# Altium PCB Zoom_Camera.PcbDoc
Units mil, origin at the board's own origin, x right, y up, seen from the top; angles counter-clockwise.
Board outline 1891.06 x 2085.03 mil, 2 copper layers (Top Layer, Bottom Layer); 13 components, 21 nets, 96 pads, 0 vias.
Unrouted connection lines stored in the file: 3.
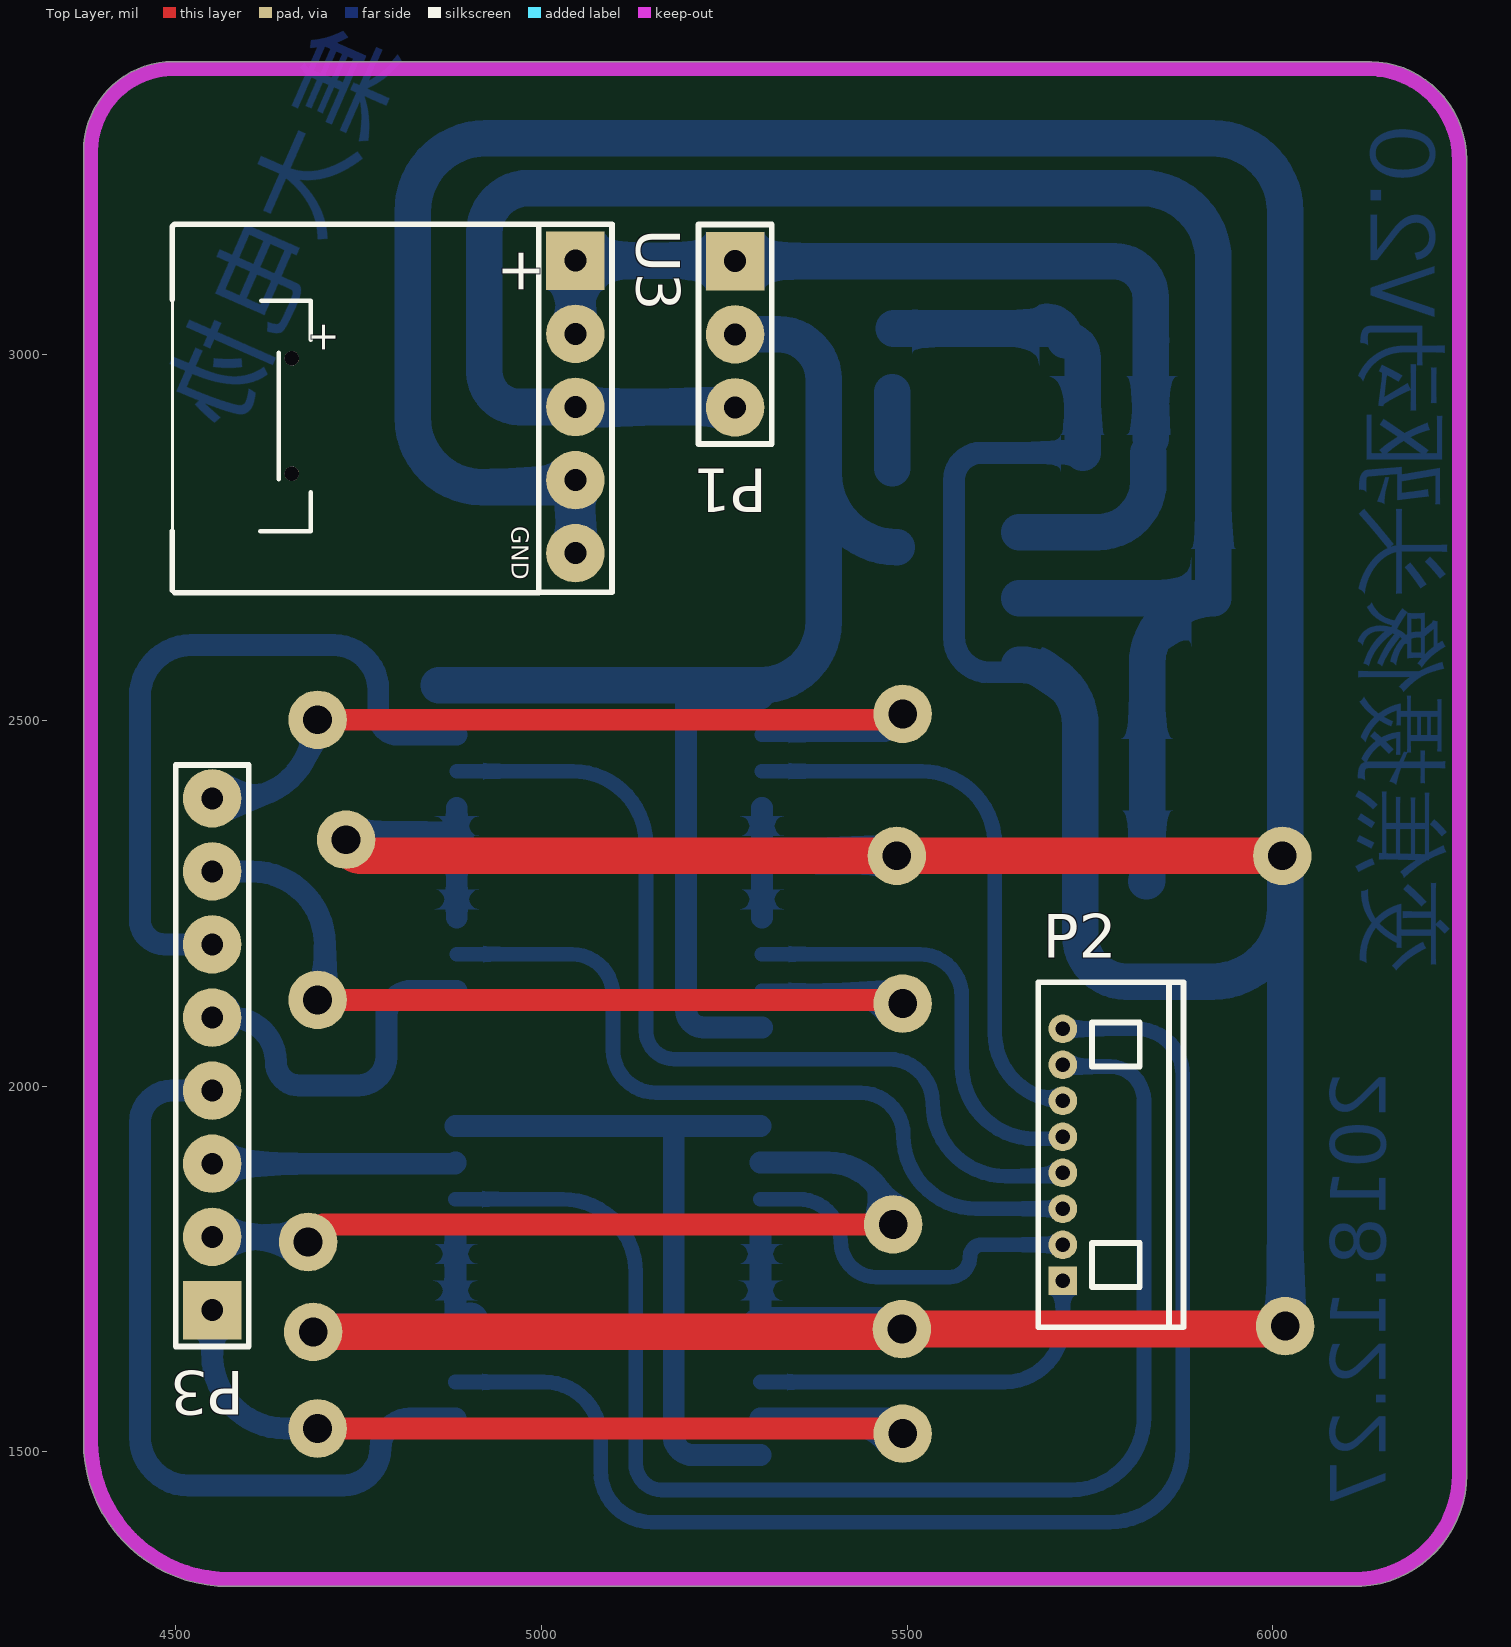
[diagram p0: Top Layer view]
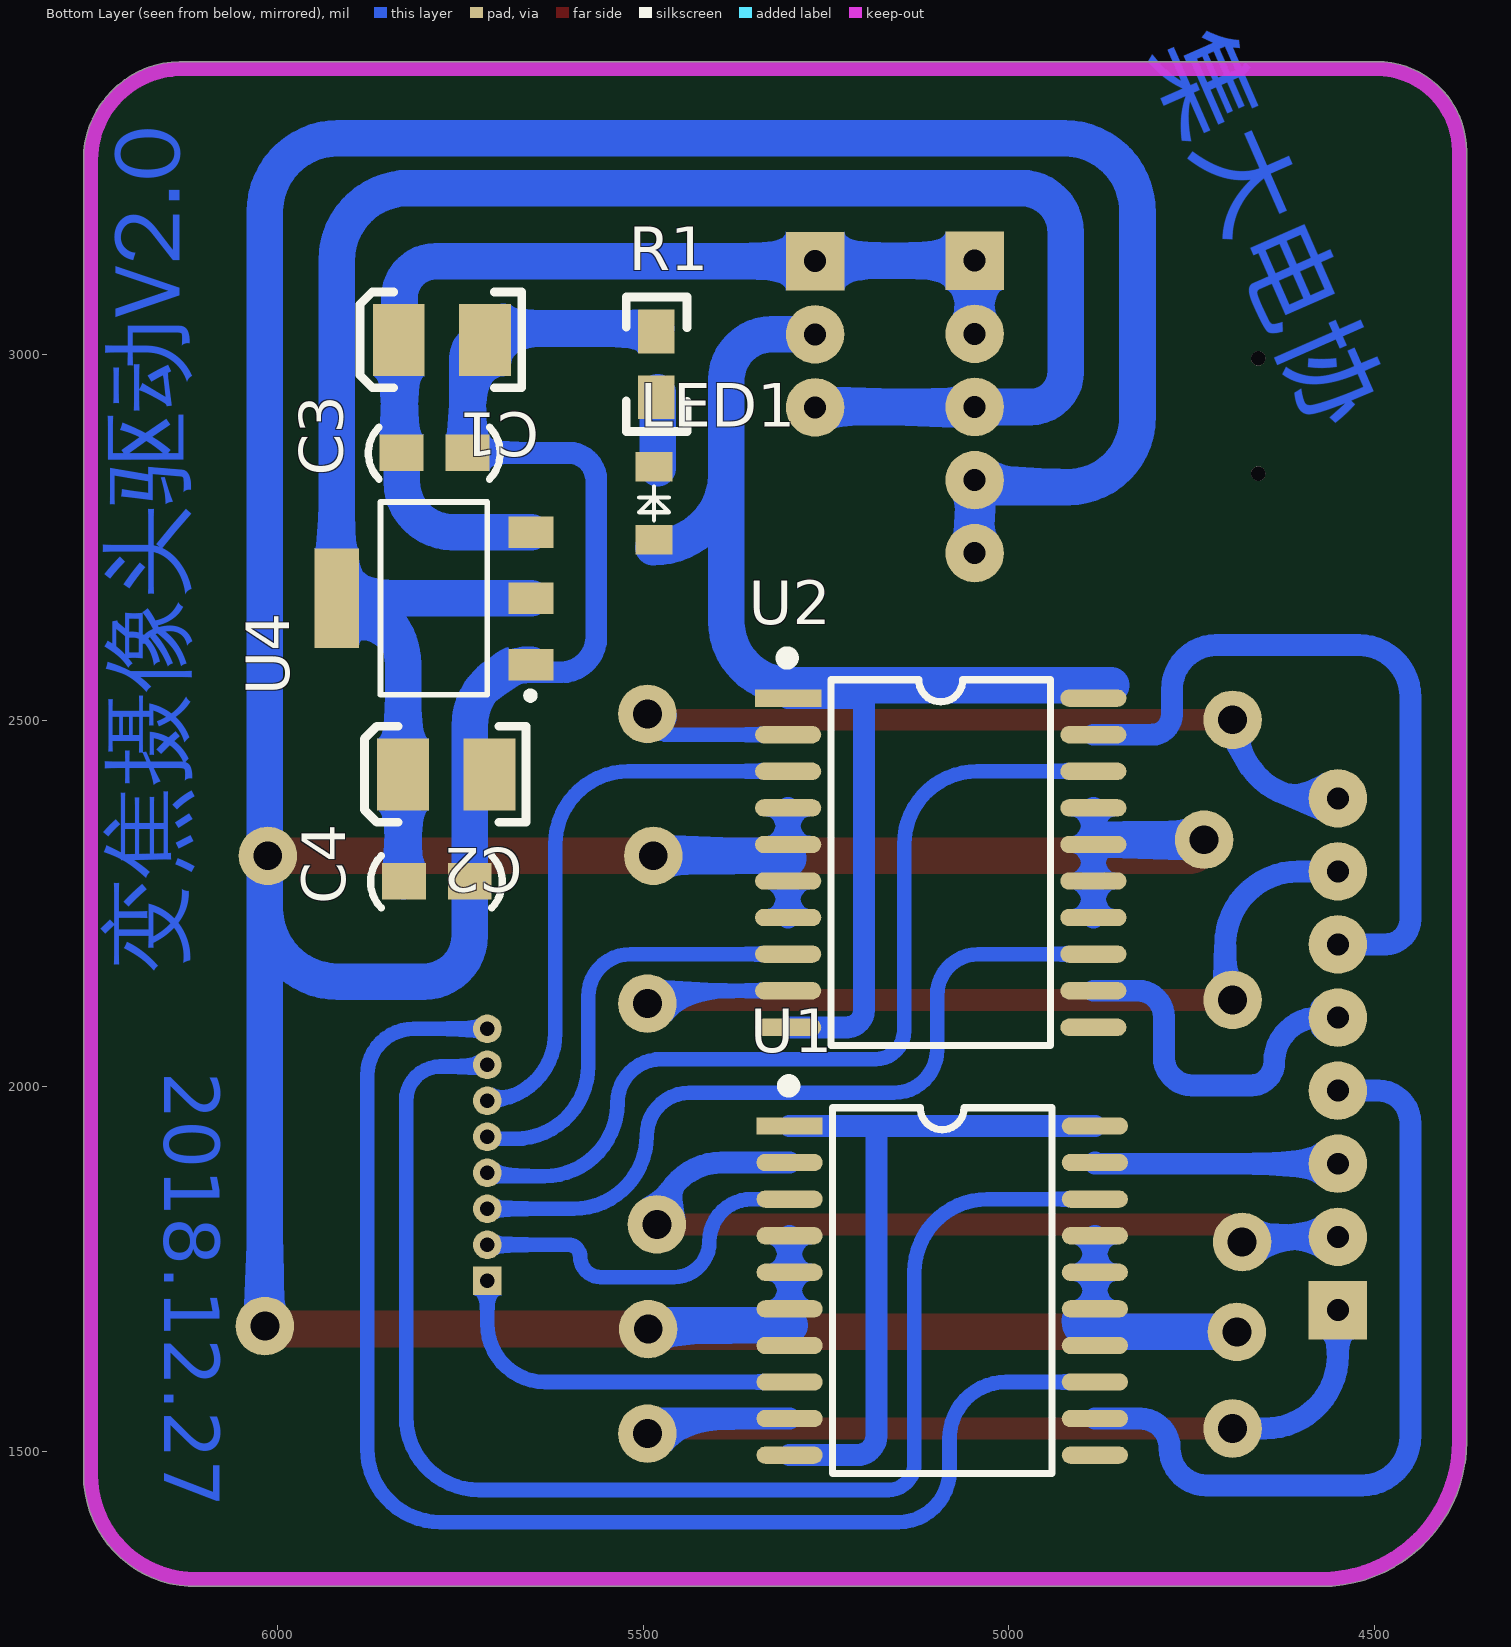
[diagram p1: Bottom Layer view, seen from below]
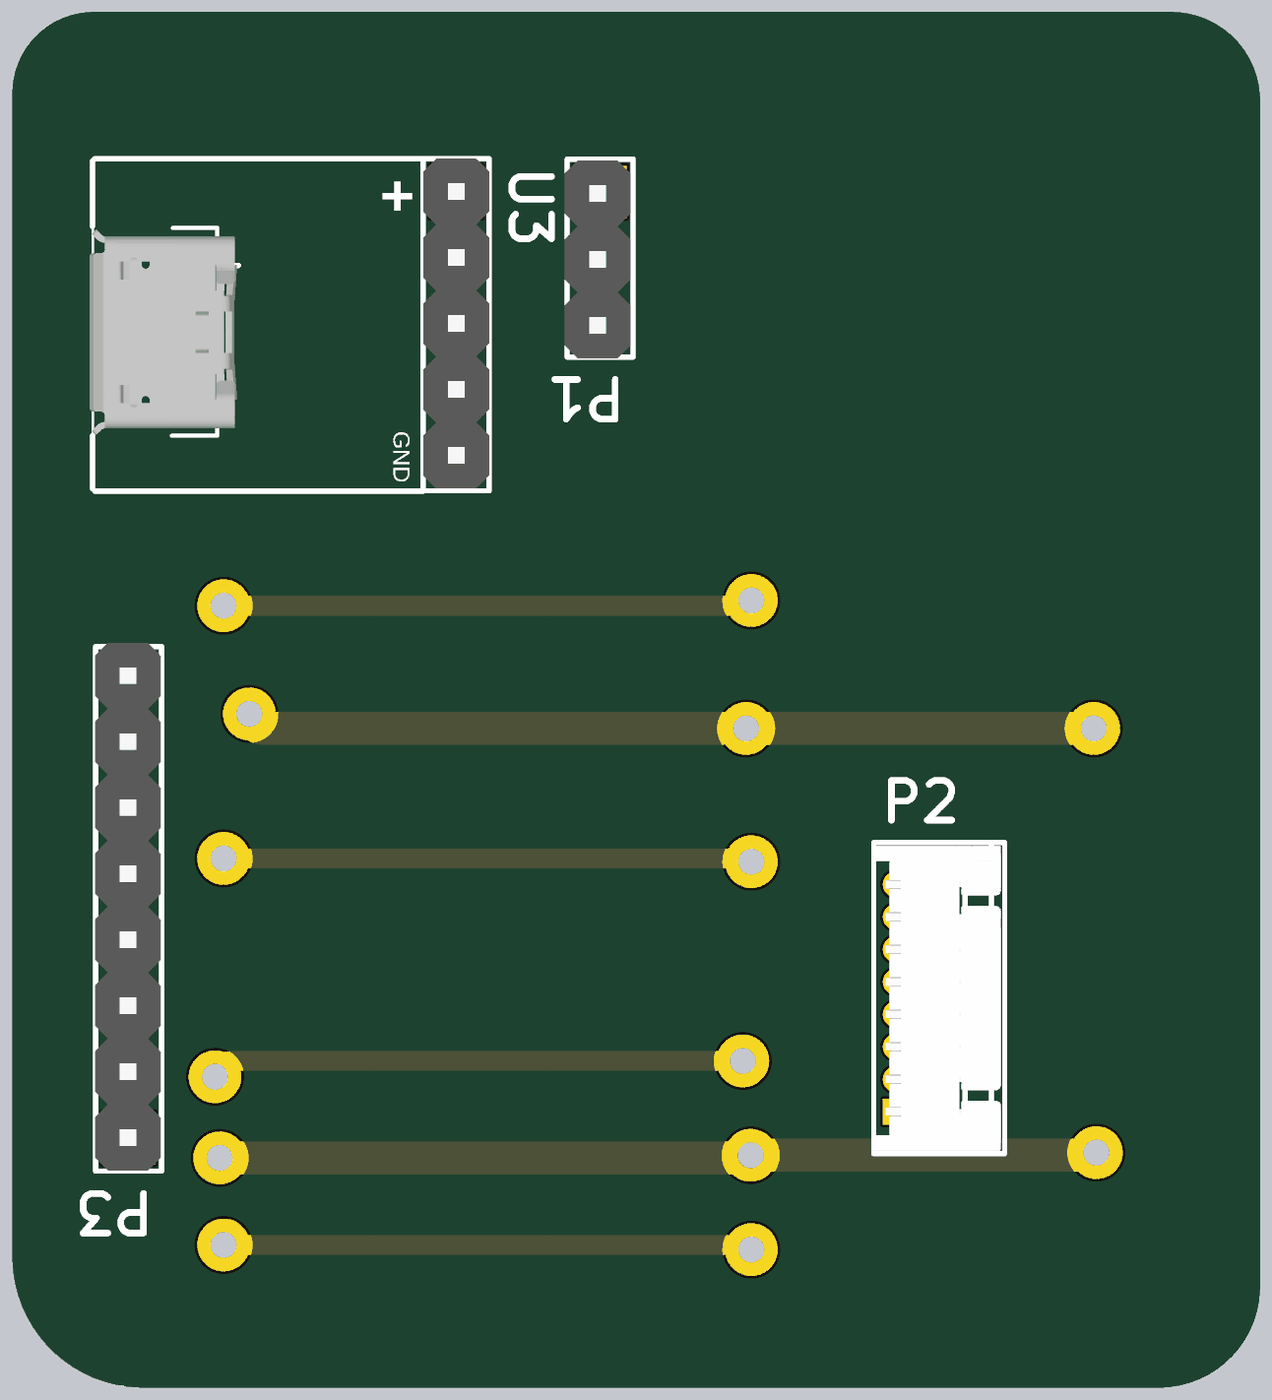
[diagram p2: 3D render of the assembled board from above, using the file's embedded part models]
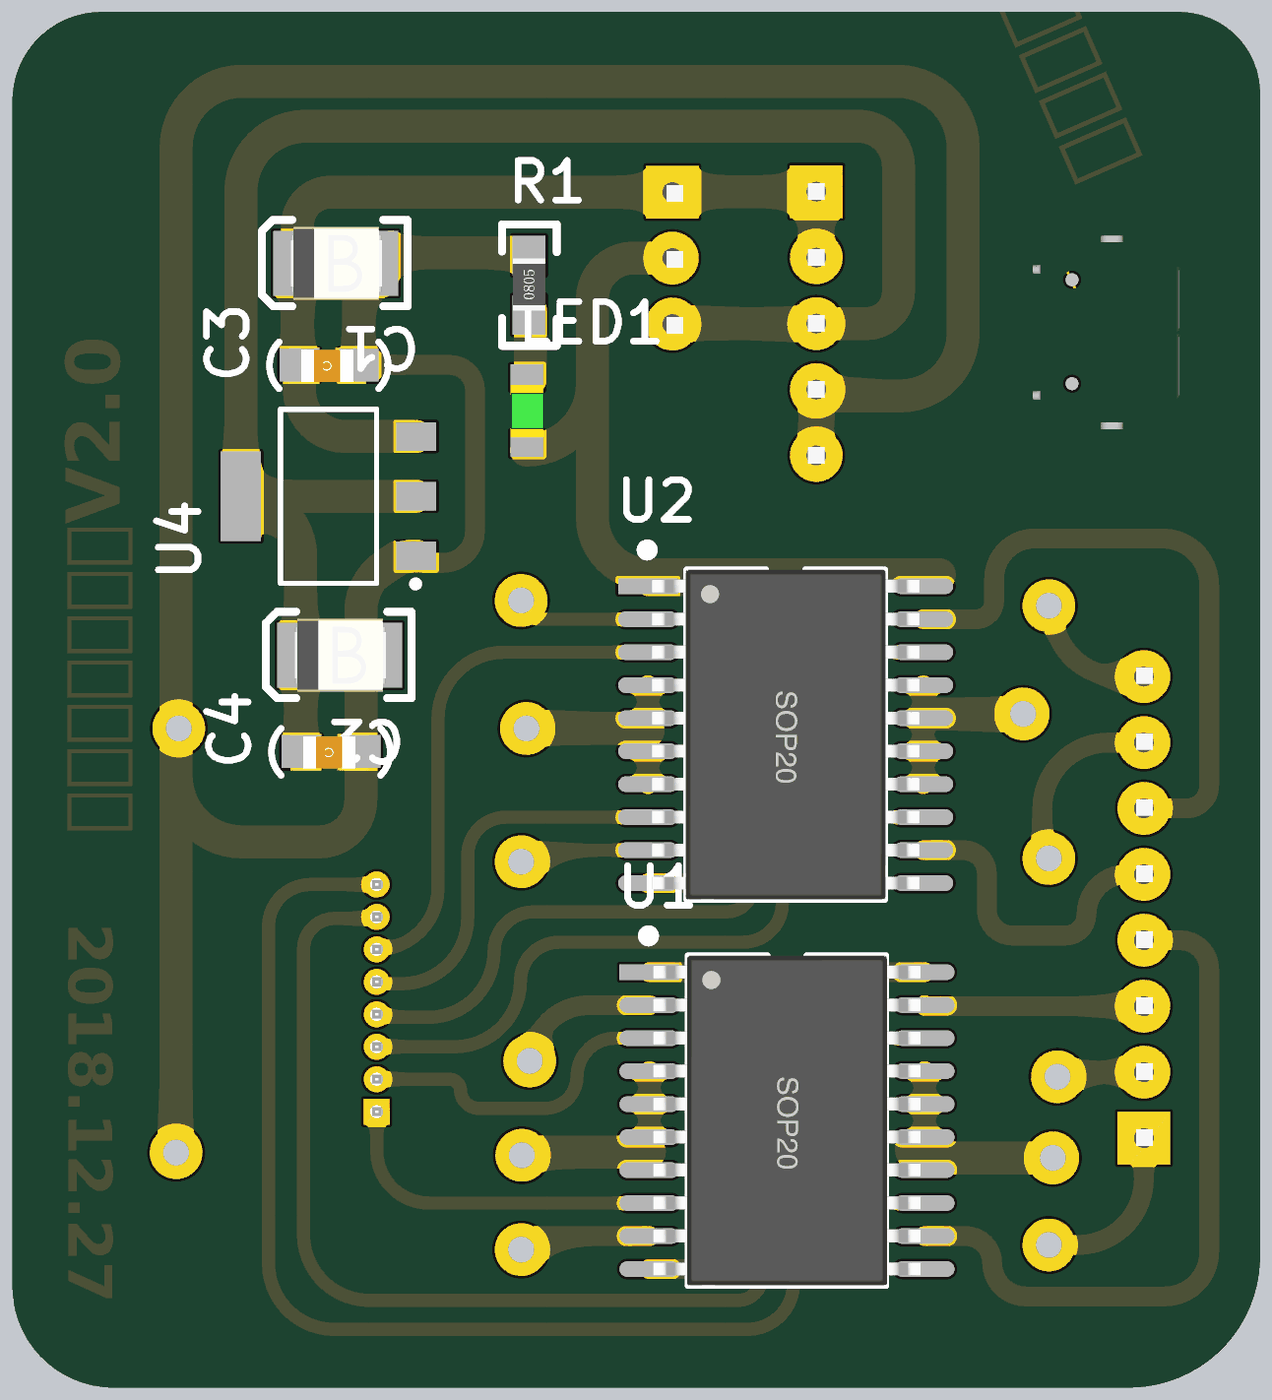
[diagram p3: 3D render of the assembled board from below, using the file's embedded part models]

## Layer stack, top to bottom
Top Solder: solder mask 0.4, Solder Resist, Dk 3.5
Top Layer: signal copper 1.4
Dielectric 1: dielectric 12.6, FR-4, Dk 4.8
Bottom Layer: signal copper 1.4
Bottom Solder: solder mask 0.4, Solder Resist, Dk 3.5

## Board outline
4373.98,1514.3 cw(c4384,1514.3) 4373.98,1514.35 4373.98,3278 cw(c4497,3278) 4497,3401.01 6133,3401.01 cw(c6133,3391) 6133.2,3401.01 cw(c6130.5,3266.5) 6265.04,3266.5 cw(c6130.5,3266.5) 6265.02,3263.9 6265.02,1468.91 cw(c6112.09,1468.91) 6121.36,1316.27 cw(c6119,1326) 6119,1315.98 4572.3,1315.98 cw(c4572.3,1514.3)

## Design rules (kind name [scope] priority, off if disabled: settings)
Clearance [All] p1: gap=8
ComponentClearance [All] p1: gap=0 collisioncheckmode=3 verticalgap=0 showdistances=FALSE
PolygonConnect [All] p1: connectstyle=Relief reliefconductorwidth=10 reliefentries=4 polygonreliefangle="90 Angle" airgapwidth=10
RoutingVias [All] p1: holewidth=28 width=50 viastyle="Through Hole" minholewidth=28 minwidth=50 maxholewidth=28 maxwidth=50
SolderMaskExpansion [All] p1: expansion=4
Width [All] p1: maxlimit=100 minlimit=10 preferedwidth=10
29 further rules are at their usual default settings.

## Components (designator, comment, footprint, x,y, rotation, side; value= is the part's Value field where it differs from the comment)
C1 "10uF" TAJ-B 5716,3020 r0 bottom
C2 "10uF" TAJ-B 5710,2426 r0 bottom
C3 "104" 0805C 5745,2866 r0 bottom
C4 "104" 0805C 5742,2280 r0 bottom
LED1 "RED" 0805LED 5487,2749 r90 bottom
P1 "电源切换" "Header 3" 5270,3034 r270 top
P2 "接线端子-8PIN" MX1.25MM-8P 5711,1734 r90 top
P3 "Header 8" "Header 8" 4550,1994 r180 top
R1 "1K" 0805R 5482,2987 r90 bottom
U1 "L293DD" SOP-20M 5297,1945 r180 bottom
U2 "L293DD" SOP-20M 5299,2530 r180 bottom
U3 "USB转排针" USB转排针 5046,2880 r270 top
U4 "AMS1117_3.3V" SOT-223 5652,2580 r90 bottom

## Footprints (in the part's own frame and the unit in brackets; to place one, negate y for a bottom-side part, rotate by r counter-clockwise, add the part's x,y. Pads: shape width x height; smd on the part's side, far side on the other; paste and mask are expansions set on the pad)
0805C [mil]
  rect 60x50 smd: 1(-5,0) 2(85,0)
  silkscreen extent -50,-35 131,36, body extent -16,-26 102,29, height 37
0805LED [mil]
  rect 40x50 smd: 1(-2,-2) 2(98,-2)
  silkscreen extent 25,-22 71,18, body extent 7,-27 87,23, height 43
0805R [mil]
  rect 60x50 smd: 1(-45,0) 2(45,0)
  silkscreen extent -92,-42 92,41, body extent -38,-25 40,25, height 22
"Header 3" [mil]
  rect 80x80 hole 30: 1(-94.03,-5.18)
  round 80 hole 30: 2(5.97,-5.18) 3(105.97,-5.18)
  silkscreen extent -144,-55 156,45, body extent -142,-59 158,41, height 336
"Header 8" [mil]
  rect 80x80 hole 30: 1(0,300)
  round 80 hole 30: 2(0,200) 3(0,100) 4(0,0) 5(0,-99.8) 6(0,-199.8) 8(0,-399.61)
  round 80 hole 30 paste+0: 7(0,-299.61)
  silkscreen extent -50,-445 50,350, body extent -49,-451 51,349, height 336
MX1.25MM-8P [mm]
  rect 1x1 hole 0.5: 1(0,-0.05)
  round 1 hole 0.5: 2(1.25,-0.05) 3(2.5,-0.05) 4(3.75,-0.05) 5(5,-0.05) 6(6.25,-0.05) 7(7.5,-0.05) 8(8.75,-0.05)
  silkscreen extent -1.61,-4.24 10.36,0.8, body extent -1.5,-4.1 10.25,0.8, height 3.35
SOP-20M [mm]
  rect 2.3x0.6 smd: 1(-0.067,0.014)
  oval 2.3x0.6 smd: 2(-0.067,-1.256) 3(-0.067,-2.526) 4(-0.067,-3.796) 5(-0.067,-5.066) 6(-0.067,-6.336) 7(-0.067,-7.606) 8(-0.067,-8.876) 9(-0.067,-10.146) 10(-0.067,-11.416) 11(10.533,-11.416) 12(10.533,-10.146) 13(10.533,-8.876) 14(10.533,-7.606) 15(10.533,-6.336) 16(10.533,-5.066) 17(10.533,-3.796) 18(10.533,-2.526) 19(10.533,-1.256) 20(10.533,0.014)
  silkscreen extent -0.26,-12.05 9.04,1.57, body extent 0.08,-12.05 10.39,0.65, height 2.7
SOT-223 [mm]
  rect 1.1x1.55 smd: 1(-0.09,0.029) 2(2.21,0.029) 3(4.51,0.029)
  rect 3.45x1.55 smd: 4(2.21,6.779)
  silkscreen extent -1.29,-0.07 5.56,5.25, body extent -1.09,-0.53 5.51,6.83, height 0.8
TAJ-B [mm]
  rect 1.8x2.5 smd: 1(3,0) 2(0,0)
  silkscreen extent -1.27,-1.68 4.34,1.65, body extent -0.27,-1.4 3.23,1.4, height 1.9
USB转排针 [mil]
  rect 80x80 hole 30: 1(-248.65,0.54)
  round 80 hole 30: 2(-148.65,0.54) 3(-48.65,0.54) 4(51.35,0.54) 5(151.15,0.54)
  round 19.68 hole 19.68 unplated: ""(-115.08,-387.17) ""(42.4,-387.17)
  silkscreen extent -299,-551 205,51, body extent -299,-555 201,51, height 336

## Part data
C1 C2: library part "Pol Cap", "极性贴片电容"
C3 C4: library part Cap1, "无极贴片电容"
LED1: library part LED, "发光二极管"
P1: library part "Header 3", "排针"
P3: "排针"
R1: library part Res, "电阻"
U1 U2: library part L293D
U4: library part AMS1117-3.3V/5.0V, "电源芯片"

## Free pads (board coordinates)
  round 80 hole 39.37: 2(5481,1811) 3(5494,2509) 4(5494,2113) 5(5494,1525) 6(4694,1532) 7(4681,1787) 8(4694,2118) 9(4694,2501) 11(4733,2337) 12(5486,2315) 13(4688,1664) 14(5493,1668) 15(6017,1672) 16(6013,2315)

## Nets (pads, with @x,y where several pads share a name; then routed paths per layer and width w, separated by ;. In a path a pad name is that pad's centre, name@x,y a point inside that pad or via, vN(x,y) a via of type N, cw(c..) or ccw(c..) an arc to the next point about the centre after c; other vN are vias at no path point)
3.3V: C2.1 C4.2 P1.3 U3.3 U4.2 U4.4 | length 2816.1
  Bottom Layer w50: P1.3 5264.2,2928.65 U3.3 4970.35,2928.65 cw(c4970.35,2977) 4922,2977 4922,3167 cw(c4983,3167) 4983,3228 5820,3228 cw(c5820,3129.13) 5918.87,3129.13 U4.4 ; U4.2 U4.4 ; C4.2 ccw(c5827,2281.11) 5828.11,2281.11 C2.1 5828.11,2576.24 cw(c5918.87,2576.24) U4.4
5.0/3.3V: LED1.1 P1.2 U1.1 U1.10 U1.11 U1.20 U2.1 U2.10 U2.11 U2.20 | length 2842.7
  Bottom Layer w30: U1.20 5180,1945.55 ; U1.10 5207.45,1495.55 cw(c5207.45,1522) 5181,1522 5181,1944.55 ccw(c5180,1944.55) 5180,1945.55 ; U1.1 5180,1945.55 ; U2.10 5221.45,2080.55 cw(c5221.45,2104) 5198,2104 5198,2530.55 U2.1
  Bottom Layer w50: 4860,2548 5299,2548 ccw(c5299,2635) 5386,2635 5386,2837 ; P1.2 5323.97,3028.03 cw(c5323.97,2966) 5386,2966 5386,2837 ; LED1.1@5486,2737 cw(c5486,2837) 5386,2837
5.0V: C1.1 C3.2 P1.1 U3.1 U3.2 U4.3 | length 1365.5
  Bottom Layer w50: U3.2 U3.1 5264.2,3128.65 P1.1 5782.97,3128.03 cw(c5782.97,3078) 5833,3078 C1.1@5833,3018.89 ; U4.3 5760.55,2757.55 ccw(c5760.55,2827) 5830,2827 C3.2 ; C3.2@5833,2885 C1.1@5833,3018.89 ; C1.1 ccw(c5834.11,3018.89) C1.1@5833,3018.89
FOCUS_A+: P2.3 U2.13 | length 1059.1
  Bottom Layer w20: U2.13 5041.45,2180.55 cw(c5041.45,2124) 5098,2124 5098,2050 ccw(c5157,2050) 5157,1991 5436.43,1991 cw(c5436.43,1932.43) 5495,1932.43 ccw(c5595,1932.43) 5595,1832.43 P2.3
FOCUS_A-: P2.4 U2.18 | length 1256.5
  Bottom Layer w20: U2.18 5043,2430.55 cw(c5043,2330.55) 5143,2330.55 5143,2076 ccw(c5182,2076) 5182,2037 5475,2037 cw(c5475,1977) 5535,1977 ccw(c5635,1977) 5635,1877 5708.33,1877 ccw(c5708.33,1881.64) P2.4
FOCUS_B+: P2.5 U2.8 | length 597.7
  Bottom Layer w20: U2.8 5516.95,2180.55 cw(c5516.95,2122.5) 5575,2122.5 5575,2028 ccw(c5675,2028) 5675,1928 5710.12,1928 ccw(c5710.12,1930.85) P2.5
FOCUS_B-: P2.6 U2.3 | length 779.1
  Bottom Layer w20: U2.3 5520,2430.55 cw(c5520,2330.55) 5620,2330.55 5620,2072.97 ccw(c5712.97,2072.97) 5712.97,1980 P2.6
GND: C1.2 C2.2 C3.1 C4.1 pad.11 pad.12 pad.13 pad.14 pad.15 pad.16 R1.2 U1.4 U1.5 U1.6 U1.7 U1.14 U1.15 U1.16 U1.17 U2.4 U2.5 U2.6 U2.7 U2.14 U2.15 U2.16 U2.17 U3.4 U3.5 U4.1 | length 9170.6
  Top Layer w50: pad.13 5489,1664 ccw(c5489,1668) pad.14 6013,1668 ccw(c6013,1672) pad.15 ; pad.11 ccw(c4755,2337) 4755,2315 pad.12 pad.16
  Bottom Layer w30: 4882.31,1679.06 U1.15 U1.16 U1.17 ; U2.14 U2.15 U2.16 U2.17 ; 5299.64,1673 U1.6 U1.5 U1.4 ; U2.7 U2.6 5301.64,2311 U2.5 U2.4 ; U4.1 cw(c5642.68,2576.45) 5642.68,2566 5612,2566 cw(c5612,2614) 5564,2614 5564,2828.22 cw(c5601.78,2828.22) 5601.78,2866 C3.1
  Bottom Layer w50: pad.13 4887.66,1664 ccw(c4887.66,1679.06) 4902.72,1679.06 ; pad.11 4877.86,2337 cw(c4877.86,2330.55) U2.16 ; U3.5 U3.4 cw(c5036.88,2828.65) 5036.88,2819 4919,2819 cw(c4919,2914) 4824,2914 4824,3196 cw(c4924,3196) 4924,3296 5917,3296 cw(c5917,3196) 6017,3196 6017,2243 ; 5299.64,1673 5488,1673 cw(c5488,1668) pad.14 ; 5301.64,2311 cw(c5305.64,2311) 5305.64,2315 pad.12 ; R1.2@5482,3036 C1.2@5689,3036 ; U4.1 cw(c5653.13,2492.57) 5737,2492.57 C4.1 5737,2206 ccw(c5800,2206) 5800,2143 5917,2143 ccw(c5917,2243) 6017,2243 ; C1.2@5691,3045 cw(c5691,3020) C1.2 cw(c5716,2996) 5740,2996 C3.1 ; pad.15@6023,1666 cw(c6023,1672) pad.15 6017,2243
IN1: P3.1 pad.5 pad.6 U1.9 | length 1268.2
  Top Layer w30: pad.6 5487,1532 cw(c5487,1525) pad.5
  Bottom Layer w30: P3.1 4550,1632 ccw(c4650,1632) 4650,1532 pad.6@4689,1532 ; U1.9 5473.45,1545.55 cw(c5473.45,1525) pad.5
IN2: P3.2 pad.2 pad.7 U1.2 | length 1197.5
  Top Layer w30: pad.7 cw(c4705,1787) 4705,1811 pad.2
  Bottom Layer w30: P3.2 4677.9,1794 cw(c4677.9,1774.9) pad.7@4697,1774.9 ; U1.2 5392,1895.55 cw(c5392,1810.55) pad.2@5477,1810.55
IN3: P3.3 U1.19 | length 333.2
  Bottom Layer w30: P3.3 4880.77,1894 ccw(c4880.77,1895.55) U1.19
IN4: P3.4 U1.12 | length 1074.9
  Bottom Layer w30: P3.4 4495,1994 ccw(c4495,1950) 4451,1950 4451,1521 ccw(c4518,1521) 4518,1454 4729,1454 ccw(c4729,1505) 4780,1505 cw(c4820.55,1505) 4820.55,1545.55 U1.12
IN5: P3.5 U2.12 | length 484.8
  Bottom Layer w30: P3.5 4576.2,2093.8 cw(c4576.2,2033) 4637,2033 ccw(c4669,2033) 4669,2001 4749,2001 ccw(c4749,2040) 4788,2040 4788,2095 cw(c4823.55,2095) 4823.55,2130.55 U2.12
IN6: P3.6 U2.19 | length 981.1
  Bottom Layer w30: P3.6 4485.2,2193.8 cw(c4485.2,2228) 4451,2228 4451,2532.55 cw(c4521.45,2532.55) 4521.45,2603 4716,2603 cw(c4716,2542) 4777,2542 4777,2508 ccw(c4804.45,2508) 4799.5,2481 ccw(c4804.45,2508) 4804.45,2480.55 U2.19
IN7: P3.7 pad.4 pad.8 U2.9 | length 1291.9
  Top Layer w30: pad.8 5489,2118 cw(c5489,2113) pad.4
  Bottom Layer w20: U2.9 5476.45,2130.55 cw(c5476.45,2113) pad.4
  Bottom Layer w30: P3.7 4604,2293.61 cw(c4604,2193.61) 4704,2193.61 pad.8@4704,2118
IN8: P3.8 pad.3 pad.9 U2.2 | length 1217.2
  Top Layer w30: pad.9 5486,2501 ccw(c5486,2509) pad.3
  Bottom Layer w20: U2.2 5465.55,2480.55 ccw(c5465.55,2509) pad.3
  Bottom Layer w30: P3.8 4588,2393.61 ccw(c4588,2493.61) 4688,2493.61 4686.45,2495.9 pad.9@4683,2501
NetLED1_2: LED1.2 R1.1 | length 104
  Bottom Layer w50: LED1.2@5480,2845 R1.1@5480,2949
ZOOM_A+: P2.1 U1.8 | length 517.7
  Bottom Layer w20: U1.8 5633.52,1595.55 ccw(c5633.52,1675) 5712.97,1675 P2.1
ZOOM_A-: P2.2 U1.3 | length 499.4
  Bottom Layer w20: U1.3 5351.4,1845.55 cw(c5351.4,1787.68) 5396.47,1823.97 cw(c5351.4,1787.68) 5409.27,1787.68 ccw(c5457.94,1787.68) 5457.94,1739 5558,1739 ccw(c5558,1767) 5586,1767 cw(c5602.21,1767) 5602.21,1783.21 P2.2
ZOOM_B+: P2.8 U1.13 | length 1891.3
  Bottom Layer w20: U1.13 5003.45,1595.55 cw(c5003.45,1518) 5077.74,1540.26 cw(c5003.45,1518) 5081,1518 5081,1474 ccw(c5151,1474) 5151,1404 5777,1404 ccw(c5777,1504) 5877,1504 5877,2015 ccw(c5813.51,2015) 5813.51,2078.49 P2.8
ZOOM_B-: P2.7 U1.18 | length 1909.1
  Bottom Layer w20: U1.18 5029,1845.55 cw(c5029,1745.55) 5129,1745.55 5129,1484 ccw(c5165,1484) 5165,1448 5724,1448 ccw(c5724,1548) 5824,1548 5824,1980 ccw(c5777,1980) 5777,2027 5715.24,2027 cw(c5715.24,2029.28) P2.7
pads on no net: U3.

## Keep-outs
Keep-Out Layer:
  lines w20: 6112.09,1326 ccw(c6112.09,1468.91) 6255,1468.91 6255,3269 ; 6119,1326 4572.3,1326 cw(c4572.3,1514.3) 4384,1514.3 4384,3278 cw(c4497,3278) 4497,3391 6133,3391 cw(c6130.5,3266.5) 6255,3264

## Other copper
Bottom Layer:
  text "集大电协" at 4839,3403 h180 r66.34
  text "变焦摄像头驱动V2.0" at 6103,2155 h160 r270
  text "2018.12.27" at 6180,2020 h130 r90

## Text inside footprints (layer, text, board x,y; h text height)
U3: Top Overlay "GND" at 4951.51,2765.83 h40 r270; Top Overlay "+" at 4686.39,3046.26 h39.37 r270; Top Overlay "+" at 4927.89,3147.72 h100 r270